# KiCad board FetsAndCrosses.kicad_pcb (continued)
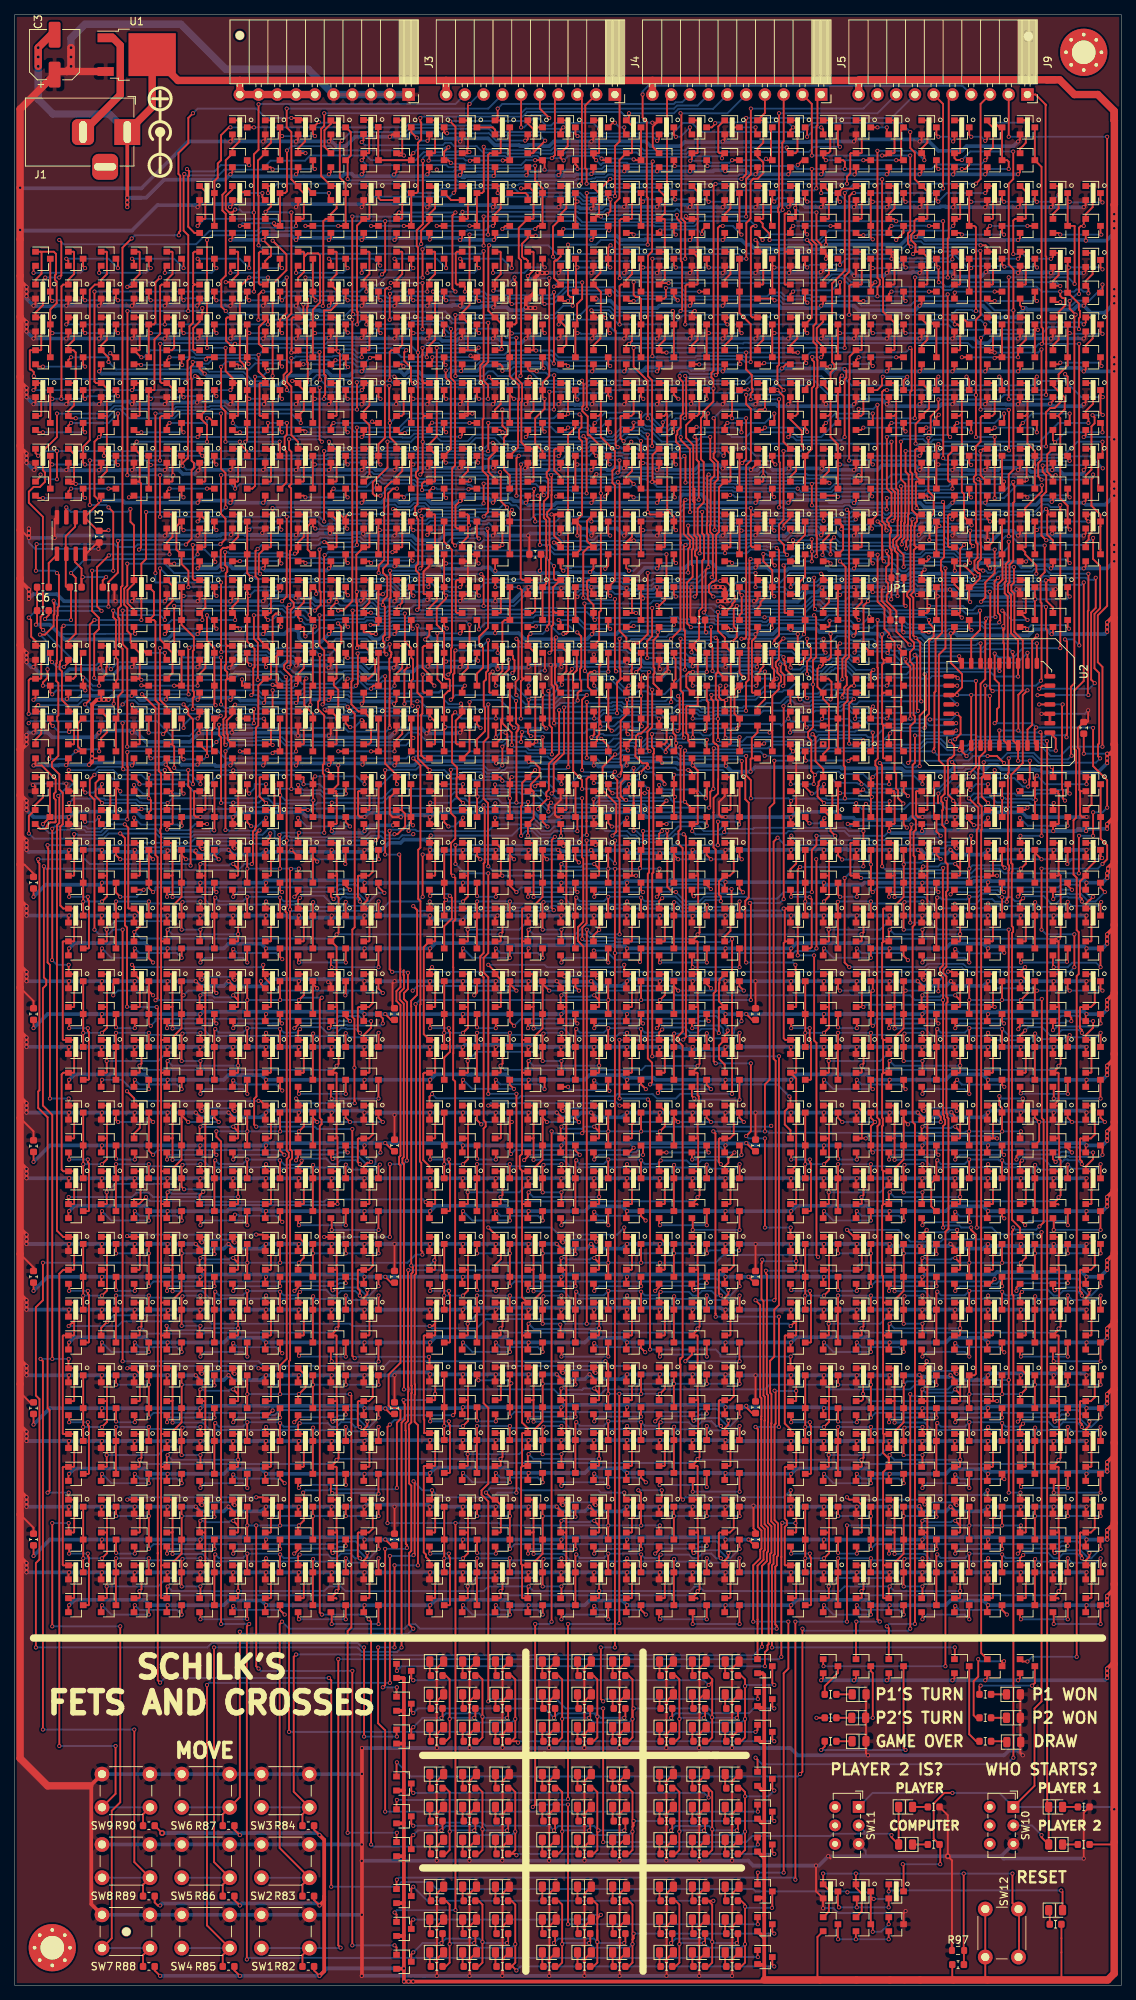
[diagram p0: board, top side]
## Placement (name value [footprint] x y rotation side) (continued)
Q303  2N7002  [SOT-23-N]  70.48 51.43 0 top
Q304  BSS84  [SOT-23-P]  70.48 55.88 0 top
Q305  BSS84  [SOT-23-P]  79.38 64.77 0 top
Q306  2N7002  [SOT-23-N]  79.38 60.32 0 top
Q307  2N7002  [SOT-23-N]  83.82 60.32 0 top
Q308  BSS84  [SOT-23-P]  83.82 64.77 0 top
Q309  BSS84  [SOT-23-P]  74.93 55.88 0 top
Q310  BSS84  [SOT-23-P]  79.38 55.88 0 top
Q311  2N7002  [SOT-23-N]  74.93 51.43 0 top
Q312  2N7002  [SOT-23-N]  79.38 51.43 0 top
Q313  2N7002  [SOT-23-N]  83.82 51.43 0 top
Q314  BSS84  [SOT-23-P]  83.82 55.88 0 top
Q315  BSS84  [SOT-23-P]  88.27 55.88 0 top
Q316  BSS84  [SOT-23-P]  92.71 55.88 0 top
Q317  2N7002  [SOT-23-N]  88.27 51.43 0 top
Q318  2N7002  [SOT-23-N]  92.71 51.43 0 top
Q319  2N7002  [SOT-23-N]  97.16 51.43 0 top
Q320  BSS84  [SOT-23-P]  97.16 55.88 0 top
Q321  BSS84  [SOT-23-P]  88.27 64.77 0 top
Q322  BSS84  [SOT-23-P]  92.71 64.77 0 top
Q323  2N7002  [SOT-23-N]  88.27 60.32 0 top
Q324  2N7002  [SOT-23-N]  92.71 60.32 0 top
Q325  2N7002  [SOT-23-N]  97.16 60.32 0 top
Q326  BSS84  [SOT-23-P]  97.16 64.77 0 top
Q327  BSS84  [SOT-23-P]  70.48 64.77 0 top
Q328  2N7002  [SOT-23-N]  70.48 60.32 0 top
Q329  2N7002  [SOT-23-N]  74.93 60.32 0 top
Q330  BSS84  [SOT-23-P]  74.93 64.77 0 top
Q331  BSS84  [SOT-23-P]  8.27 158.11 0 top
Q332  2N7002  [SOT-23-N]  21.61 158.11 0 top
Q333  BSS84  [SOT-23-P]  8.27 162.56 0 top
Q334  2N7002  [SOT-23-N]  21.61 162.56 0 top
Q335  BSS84  [SOT-23-P]  26.05 162.56 0 top
Q336  2N7002  [SOT-23-N]  26.05 158.11 0 top
Q337  BSS84  [SOT-23-P]  92.73 180.34 0 top
Q338  2N7002  [SOT-23-N]  92.73 167 0 top
Q339  BSS84  [SOT-23-P]  97.17 180.34 0 top
Q340  2N7002  [SOT-23-N]  97.17 167 0 top
Q341  BSS84  [SOT-23-P]  110.49 55.88 0 top
Q342  BSS84  [SOT-23-P]  114.94 55.88 0 top
Q343  2N7002  [SOT-23-N]  110.49 51.43 0 top
Q344  2N7002  [SOT-23-N]  114.94 51.43 0 top
Q345  2N7002  [SOT-23-N]  119.38 51.43 0 top
Q346  BSS84  [SOT-23-P]  119.38 55.88 0 top
Q347  BSS84  [SOT-23-P]  128.27 64.77 0 top
Q348  2N7002  [SOT-23-N]  128.27 60.32 0 top
Q349  2N7002  [SOT-23-N]  132.72 60.32 0 top
Q350  BSS84  [SOT-23-P]  132.72 64.77 0 top
Q351  BSS84  [SOT-23-P]  123.83 55.88 0 top
Q352  BSS84  [SOT-23-P]  128.27 55.88 0 top
Q353  2N7002  [SOT-23-N]  123.83 51.43 0 top
Q354  2N7002  [SOT-23-N]  128.27 51.43 0 top
Q355  2N7002  [SOT-23-N]  132.72 51.43 0 top
Q356  BSS84  [SOT-23-P]  132.72 55.88 0 top
Q357  BSS84  [SOT-23-P]  137.16 55.88 0 top
Q358  BSS84  [SOT-23-P]  141.6 55.88 0 top
Q359  2N7002  [SOT-23-N]  137.16 51.43 0 top
Q360  2N7002  [SOT-23-N]  141.6 51.43 0 top
Q361  2N7002  [SOT-23-N]  146.05 51.43 0 top
Q362  BSS84  [SOT-23-P]  146.05 55.88 0 top
Q363  BSS84  [SOT-23-P]  137.16 64.77 0 top
Q364  BSS84  [SOT-23-P]  141.6 64.77 0 top
Q365  2N7002  [SOT-23-N]  137.16 60.32 0 top
Q366  2N7002  [SOT-23-N]  141.6 60.32 0 top
Q367  2N7002  [SOT-23-N]  146.05 60.32 0 top
Q368  BSS84  [SOT-23-P]  146.05 64.77 0 top
Q369  BSS84  [SOT-23-P]  119.38 64.77 0 top
Q370  2N7002  [SOT-23-N]  119.38 60.32 0 top
Q371  2N7002  [SOT-23-N]  123.83 60.32 0 top
Q372  BSS84  [SOT-23-P]  123.83 64.77 0 top
Q373  BSS84  [SOT-23-P]  101.62 180.34 0 top
Q374  2N7002  [SOT-23-N]  101.62 175.89 0 top
Q375  BSS84  [SOT-23-P]  30.5 158.11 0 top
Q376  2N7002  [SOT-23-N]  43.83 158.11 0 top
Q377  BSS84  [SOT-23-P]  30.5 162.56 0 top
Q378  2N7002  [SOT-23-N]  43.83 162.56 0 top
Q379  BSS84  [SOT-23-P]  48.28 162.56 0 top
Q380  2N7002  [SOT-23-N]  48.28 158.11 0 top
Q381  BSS84  [SOT-23-P]  79.39 158.11 0 top
Q382  2N7002  [SOT-23-N]  92.73 158.11 0 top
Q383  BSS84  [SOT-23-P]  12.72 158.11 0 top
Q384  2N7002  [SOT-23-N]  17.16 162.56 0 top
Q385  BSS84  [SOT-23-P]  12.72 162.56 0 top
Q386  2N7002  [SOT-23-N]  17.16 158.11 0 top
Q387  BSS84  [SOT-23-P]  92.73 175.89 0 top
Q388  2N7002  [SOT-23-N]  97.17 171.45 0 top
Q389  BSS84  [SOT-23-P]  97.17 175.92 0 top
Q390  2N7002  [SOT-23-N]  92.73 171.45 0 top
Q391  BSS84  [SOT-23-P]  34.94 158.11 0 top
Q392  2N7002  [SOT-23-N]  39.39 162.56 0 top
Q393  BSS84  [SOT-23-P]  34.94 162.56 0 top
Q394  2N7002  [SOT-23-N]  39.39 158.11 0 top
Q395  BSS84  [SOT-23-P]  83.84 158.11 0 top
Q396  2N7002  [SOT-23-N]  88.28 162.56 0 top
Q397  BSS84  [SOT-23-P]  83.84 162.56 0 top
Q398  2N7002  [SOT-23-N]  88.28 158.11 0 top
Q399  BSS84  [SOT-23-P]  132.73 158.11 0 top
Q400  2N7002  [SOT-23-N]  137.18 162.56 0 top
Q401  BSS84  [SOT-23-P]  132.73 162.56 0 top
Q402  2N7002  [SOT-23-N]  137.18 158.11 0 top
Q403  BSS84  [SOT-23-P]  61.61 158.11 0 top
Q404  2N7002  [SOT-23-N]  66.06 162.56 0 top
Q405  BSS84  [SOT-23-P]  61.61 162.56 0 top
Q406  2N7002  [SOT-23-N]  66.06 158.11 0 top
Q407  BSS84  [SOT-23-P]  110.51 158.11 0 top
Q408  2N7002  [SOT-23-N]  114.95 162.56 0 top
Q409  BSS84  [SOT-23-P]  110.51 162.56 0 top
Q410  2N7002  [SOT-23-N]  114.95 158.11 0 top
Q411  BSS84  [SOT-23-P]  79.39 175.89 0 top
Q412  2N7002  [SOT-23-N]  83.84 171.45 0 top
Q413  BSS84  [SOT-23-P]  83.84 175.92 0 top
Q414  2N7002  [SOT-23-N]  79.39 171.45 0 top
Q415  BSS84  [SOT-23-P]  66.06 175.89 0 top
Q416  2N7002  [SOT-23-N]  70.5 171.45 0 top
Q417  BSS84  [SOT-23-P]  70.5 175.92 0 top
Q418  2N7002  [SOT-23-N]  66.06 171.45 0 top
Q419  BSS84  [SOT-23-P]  66.06 189.23 0 top
Q420  2N7002  [SOT-23-N]  66.06 184.78 0 top
Q421  2N7002  [SOT-23-N]  123.83 247.01 0 top
Q422  2N7002  [SOT-23-N]  128.27 247.01 0 top
Q423  BSS84  [SOT-23-P]  123.83 251.46 0 top
Q424  BSS84  [SOT-23-P]  128.27 251.46 0 top
Q425  BSS84  [SOT-23-P]  132.72 251.46 0 top
Q426  2N7002  [SOT-23-N]  132.72 247.01 0 top
Q427  BSS84  [SOT-23-P]  137.16 251.46 0 top
Q428  2N7002  [SOT-23-N]  137.16 247.01 0 top
Q429  BSS84  [SOT-23-P]  30.48 215.9 0 top
Q430  BSS84  [SOT-23-P]  34.92 215.9 0 top
Q431  2N7002  [SOT-23-N]  30.48 211.45 0 top
Q432  2N7002  [SOT-23-N]  34.92 211.45 0 top
Q433  2N7002  [SOT-23-N]  34.92 202.56 0 top
Q434  BSS84  [SOT-23-P]  34.92 207.01 0 top
Q435  BSS84  [SOT-23-P]  30.48 224.79 0 top
Q436  BSS84  [SOT-23-P]  34.92 224.79 0 top
Q437  2N7002  [SOT-23-N]  30.48 220.34 0 top
Q438  2N7002  [SOT-23-N]  34.92 220.34 0 top
Q439  2N7002  [SOT-23-N]  30.48 202.56 0 top
Q440  BSS84  [SOT-23-P]  30.48 207.01 0 top
Q441  BSS84  [SOT-23-P]  17.14 224.79 0 top
Q442  BSS84  [SOT-23-P]  21.59 224.79 0 top
Q443  2N7002  [SOT-23-N]  17.14 220.34 0 top
Q444  2N7002  [SOT-23-N]  21.59 220.34 0 top
Q445  2N7002  [SOT-23-N]  26.04 220.34 0 top
Q446  BSS84  [SOT-23-P]  26.04 224.79 0 top
Q447  BSS84  [SOT-23-P]  3.81 207.01 0 top
Q448  BSS84  [SOT-23-P]  8.25 207.01 0 top
Q449  2N7002  [SOT-23-N]  3.81 202.56 0 top
Q450  2N7002  [SOT-23-N]  8.25 202.56 0 top
Q451  2N7002  [SOT-23-N]  12.7 202.56 0 top
Q452  BSS84  [SOT-23-P]  12.7 207.01 0 top
Q453  BSS84  [SOT-23-P]  17.14 207.01 0 top
Q454  BSS84  [SOT-23-P]  21.59 207.01 0 top
Q455  2N7002  [SOT-23-N]  17.14 202.56 0 top
Q456  2N7002  [SOT-23-N]  21.59 202.56 0 top
Q457  2N7002  [SOT-23-N]  26.04 202.56 0 top
Q458  BSS84  [SOT-23-P]  26.04 207.01 0 top
Q459  BSS84  [SOT-23-P]  17.14 215.9 0 top
Q460  BSS84  [SOT-23-P]  21.59 215.9 0 top
Q461  2N7002  [SOT-23-N]  17.14 211.45 0 top
Q462  2N7002  [SOT-23-N]  21.59 211.45 0 top
Q463  2N7002  [SOT-23-N]  26.04 211.45 0 top
Q464  BSS84  [SOT-23-P]  26.04 215.9 0 top
Q465  BSS84  [SOT-23-P]  3.81 224.79 0 top
Q466  BSS84  [SOT-23-P]  8.25 224.79 0 top
Q467  2N7002  [SOT-23-N]  3.81 220.34 0 top
Q468  2N7002  [SOT-23-N]  8.25 220.34 0 top
Q469  2N7002  [SOT-23-N]  12.7 220.34 0 top
Q470  BSS84  [SOT-23-P]  12.7 224.79 0 top
Q471  BSS84  [SOT-23-P]  3.81 215.9 0 top
Q472  BSS84  [SOT-23-P]  8.25 215.9 0 top
Q473  2N7002  [SOT-23-N]  3.81 211.45 0 top
Q474  2N7002  [SOT-23-N]  8.25 211.45 0 top
Q475  2N7002  [SOT-23-N]  12.7 211.45 0 top
Q476  BSS84  [SOT-23-P]  12.7 215.9 0 top
Q477  BSS84  [SOT-23-P]  12.7 229.23 0 top
Q478  BSS84  [SOT-23-P]  26.04 229.23 0 top
Q479  2N7002  [SOT-23-N]  3.81 233.68 0 top
Q480  2N7002  [SOT-23-N]  8.25 233.68 0 top
Q481  BSS84  [SOT-23-P]  3.81 229.23 0 top
Q482  BSS84  [SOT-23-P]  17.14 229.23 0 top
Q483  BSS84  [SOT-23-P]  30.48 229.23 0 top
Q484  2N7002  [SOT-23-N]  12.7 233.68 0 top
Q485  2N7002  [SOT-23-N]  17.14 233.68 0 top
Q486  2N7002  [SOT-23-N]  21.59 233.68 0 top
Q487  BSS84  [SOT-23-P]  8.25 229.23 0 top
Q488  BSS84  [SOT-23-P]  21.59 229.23 0 top
Q489  BSS84  [SOT-23-P]  34.92 229.23 0 top
Q490  2N7002  [SOT-23-N]  26.04 233.68 0 top
Q491  2N7002  [SOT-23-N]  30.48 233.68 0 top
Q492  2N7002  [SOT-23-N]  34.92 233.68 0 top
Q493  2N7002  [SOT-23-N]  66.04 238.12 0 top
Q494  BSS84  [SOT-23-P]  66.04 242.57 0 top
Q495  BSS84  [SOT-23-P]  70.48 242.57 0 top
Q496  2N7002  [SOT-23-N]  70.48 238.12 0 top
Q497  BSS84  [SOT-23-P]  52.7 251.46 0 top
Q498  BSS84  [SOT-23-P]  57.15 251.46 0 top
Q499  BSS84  [SOT-23-P]  70.48 251.46 0 top
Q500  2N7002  [SOT-23-N]  52.7 247.01 0 top
Q501  2N7002  [SOT-23-N]  74.93 247.01 0 top
Q502  2N7002  [SOT-23-N]  106.05 247.01 0 top
Q503  BSS84  [SOT-23-P]  74.93 251.46 0 top
Q504  BSS84  [SOT-23-P]  88.27 251.46 0 top
Q505  BSS84  [SOT-23-P]  92.71 251.46 0 top
Q506  2N7002  [SOT-23-N]  57.15 247.01 0 top
Q507  2N7002  [SOT-23-N]  88.27 247.01 0 top
Q508  2N7002  [SOT-23-N]  110.49 247.01 0 top
Q509  BSS84  [SOT-23-P]  106.05 251.46 0 top
Q510  BSS84  [SOT-23-P]  110.49 251.46 0 top
Q511  BSS84  [SOT-23-P]  48.23 251.51 0 top
Q512  2N7002  [SOT-23-N]  70.48 247.01 0 top
Q513  2N7002  [SOT-23-N]  92.71 247.01 0 top
Q514  2N7002  [SOT-23-N]  48.26 247.01 0 top
Q515  2N7002  [SOT-23-N]  114.94 247.01 0 top
Q516  BSS84  [SOT-23-P]  114.94 251.46 0 top
Q517  BSS84  [SOT-23-P]  119.38 251.46 0 top
Q518  2N7002  [SOT-23-N]  119.38 247.01 0 top
Q519  2N7002  [SOT-23-N]  97.16 247.01 0 top
Q520  BSS84  [SOT-23-P]  97.16 251.46 0 top
Q521  BSS84  [SOT-23-P]  101.6 251.46 0 top
Q522  2N7002  [SOT-23-N]  101.6 247.01 0 top
Q523  2N7002  [SOT-23-N]  48.26 238.12 0 top
Q524  BSS84  [SOT-23-P]  48.26 242.57 0 top
Q525  BSS84  [SOT-23-P]  52.7 242.57 0 top
Q526  2N7002  [SOT-23-N]  52.7 238.12 0 top
Q527  2N7002  [SOT-23-N]  79.38 247.01 0 top
Q528  BSS84  [SOT-23-P]  79.38 251.46 0 top
Q529  BSS84  [SOT-23-P]  83.82 251.46 0 top
Q530  2N7002  [SOT-23-N]  83.82 247.01 0 top
Q531  2N7002  [SOT-23-N]  39.37 238.12 0 top
Q532  BSS84  [SOT-23-P]  39.37 242.57 0 top
Q533  BSS84  [SOT-23-P]  43.81 242.57 0 top
Q534  2N7002  [SOT-23-N]  43.81 238.12 0 top
Q535  2N7002  [SOT-23-N]  61.59 247.01 0 top
Q536  BSS84  [SOT-23-P]  61.59 251.46 0 top
Q537  BSS84  [SOT-23-P]  66.04 251.46 0 top
Q538  2N7002  [SOT-23-N]  66.04 247.01 0 top
Q539  2N7002  [SOT-23-N]  30.48 238.12 0 top
Q540  BSS84  [SOT-23-P]  30.48 242.57 0 top
Q541  BSS84  [SOT-23-P]  34.92 242.57 0 top
Q542  2N7002  [SOT-23-N]  34.92 238.12 0 top
Q543  2N7002  [SOT-23-N]  57.15 238.12 0 top
Q544  BSS84  [SOT-23-P]  57.15 242.57 0 top
Q545  BSS84  [SOT-23-P]  61.59 242.57 0 top
Q546  2N7002  [SOT-23-N]  61.59 238.12 0 top
Q547  BSS84  [SOT-23-P]  66.04 215.9 0 top
Q548  BSS84  [SOT-23-P]  70.48 215.9 0 top
Q549  2N7002  [SOT-23-N]  66.04 211.45 0 top
Q550  2N7002  [SOT-23-N]  70.48 211.45 0 top
Q551  2N7002  [SOT-23-N]  70.48 202.56 0 top
Q552  BSS84  [SOT-23-P]  70.48 207.01 0 top
Q553  BSS84  [SOT-23-P]  66.04 224.79 0 top
Q554  BSS84  [SOT-23-P]  70.48 224.79 0 top
Q555  2N7002  [SOT-23-N]  66.04 220.34 0 top
Q556  2N7002  [SOT-23-N]  70.48 220.34 0 top
Q557  2N7002  [SOT-23-N]  66.04 202.56 0 top
Q558  BSS84  [SOT-23-P]  66.04 207.01 0 top
Q559  BSS84  [SOT-23-P]  52.7 224.79 0 top
Q560  BSS84  [SOT-23-P]  57.15 224.79 0 top
Q561  2N7002  [SOT-23-N]  52.7 220.34 0 top
Q562  2N7002  [SOT-23-N]  57.15 220.34 0 top
Q563  2N7002  [SOT-23-N]  61.59 220.34 0 top
Q564  BSS84  [SOT-23-P]  61.59 224.79 0 top
Q565  BSS84  [SOT-23-P]  39.37 207.01 0 top
Q566  BSS84  [SOT-23-P]  43.81 207.01 0 top
Q567  2N7002  [SOT-23-N]  39.37 202.56 0 top
Q568  2N7002  [SOT-23-N]  43.81 202.56 0 top
Q569  2N7002  [SOT-23-N]  48.26 202.56 0 top
Q570  BSS84  [SOT-23-P]  48.26 207.01 0 top
Q571  BSS84  [SOT-23-P]  52.7 207.01 0 top
Q572  BSS84  [SOT-23-P]  57.15 207.01 0 top
Q573  2N7002  [SOT-23-N]  52.7 202.56 0 top
Q574  2N7002  [SOT-23-N]  57.15 202.56 0 top
Q575  2N7002  [SOT-23-N]  61.59 202.56 0 top
Q576  BSS84  [SOT-23-P]  61.59 207.01 0 top
Q577  BSS84  [SOT-23-P]  52.7 215.9 0 top
Q578  BSS84  [SOT-23-P]  57.15 215.9 0 top
Q579  2N7002  [SOT-23-N]  52.7 211.45 0 top
Q580  2N7002  [SOT-23-N]  57.15 211.45 0 top
Q581  2N7002  [SOT-23-N]  61.59 211.45 0 top
Q582  BSS84  [SOT-23-P]  61.59 215.9 0 top
Q583  BSS84  [SOT-23-P]  39.37 224.79 0 top
Q584  BSS84  [SOT-23-P]  43.81 224.79 0 top
Q585  2N7002  [SOT-23-N]  39.37 220.34 0 top
Q586  2N7002  [SOT-23-N]  43.81 220.34 0 top
Q587  2N7002  [SOT-23-N]  48.26 220.34 0 top
Q588  BSS84  [SOT-23-P]  48.26 224.79 0 top
Q589  BSS84  [SOT-23-P]  39.37 215.9 0 top
Q590  BSS84  [SOT-23-P]  43.81 215.9 0 top
Q591  2N7002  [SOT-23-N]  39.37 211.45 0 top
Q592  2N7002  [SOT-23-N]  43.81 211.45 0 top
Q593  2N7002  [SOT-23-N]  48.26 211.45 0 top
Q594  BSS84  [SOT-23-P]  48.26 215.9 0 top
Q595  BSS84  [SOT-23-P]  48.26 229.23 0 top
Q596  BSS84  [SOT-23-P]  61.59 229.23 0 top
Q597  2N7002  [SOT-23-N]  39.37 233.68 0 top
Q598  2N7002  [SOT-23-N]  43.81 233.68 0 top
Q599  BSS84  [SOT-23-P]  39.37 229.23 0 top
Q600  BSS84  [SOT-23-P]  52.7 229.23 0 top
Q601  BSS84  [SOT-23-P]  66.04 229.23 0 top
Q602  2N7002  [SOT-23-N]  48.26 233.68 0 top
Q603  2N7002  [SOT-23-N]  52.7 233.68 0 top
Q604  2N7002  [SOT-23-N]  57.15 233.68 0 top
Q605  BSS84  [SOT-23-P]  43.81 229.23 0 top
Q606  BSS84  [SOT-23-P]  57.15 229.23 0 top
Q607  BSS84  [SOT-23-P]  70.48 229.23 0 top
Q608  2N7002  [SOT-23-N]  61.59 233.68 0 top
Q609  2N7002  [SOT-23-N]  66.04 233.68 0 top
Q610  2N7002  [SOT-23-N]  70.48 233.68 0 top
Q611  BSS84  [SOT-23-P]  114.94 242.57 0 top
Q612  BSS84  [SOT-23-P]  119.38 242.57 0 top
Q613  2N7002  [SOT-23-N]  114.94 238.12 0 top
Q614  2N7002  [SOT-23-N]  119.38 238.12 0 top
Q615  2N7002  [SOT-23-N]  123.83 238.12 0 top
Q616  BSS84  [SOT-23-P]  123.83 242.57 0 top
Q617  BSS84  [SOT-23-P]  101.6 233.68 0 top
Q618  BSS84  [SOT-23-P]  106.05 233.68 0 top
Q619  2N7002  [SOT-23-N]  101.6 229.23 0 top
Q620  2N7002  [SOT-23-N]  106.05 229.23 0 top
Q621  2N7002  [SOT-23-N]  110.49 229.23 0 top
Q622  BSS84  [SOT-23-P]  110.49 233.68 0 top
Q623  BSS84  [SOT-23-P]  128.27 233.68 0 top
Q624  BSS84  [SOT-23-P]  132.72 233.68 0 top
Q625  2N7002  [SOT-23-N]  128.27 229.23 0 top
Q626  2N7002  [SOT-23-N]  132.72 229.23 0 top
Q627  2N7002  [SOT-23-N]  137.16 229.23 0 top
Q628  BSS84  [SOT-23-P]  137.16 233.68 0 top
Q629  BSS84  [SOT-23-P]  114.94 233.68 0 top
Q630  BSS84  [SOT-23-P]  119.38 233.68 0 top
Q631  2N7002  [SOT-23-N]  114.94 229.23 0 top
Q632  2N7002  [SOT-23-N]  119.38 229.23 0 top
Q633  2N7002  [SOT-23-N]  123.83 229.23 0 top
Q634  BSS84  [SOT-23-P]  123.83 233.68 0 top
Q635  BSS84  [SOT-23-P]  128.27 242.57 0 top
Q636  BSS84  [SOT-23-P]  132.72 242.57 0 top
Q637  2N7002  [SOT-23-N]  128.27 238.12 0 top
Q638  2N7002  [SOT-23-N]  132.72 238.12 0 top
Q639  2N7002  [SOT-23-N]  137.16 238.12 0 top
Q640  BSS84  [SOT-23-P]  137.16 242.57 0 top
Q641  BSS84  [SOT-23-P]  101.6 242.57 0 top
Q642  BSS84  [SOT-23-P]  106.05 242.57 0 top
Q643  2N7002  [SOT-23-N]  101.6 238.12 0 top
Q644  2N7002  [SOT-23-N]  106.05 238.12 0 top
Q645  2N7002  [SOT-23-N]  110.49 238.12 0 top
Q646  BSS84  [SOT-23-P]  110.49 242.57 0 top
Q647  BSS84  [SOT-23-P]  88.27 224.79 0 top
Q648  2N7002  [SOT-23-N]  88.27 220.34 0 top
Q649  BSS84  [SOT-23-P]  146.05 198.12 0 top
Q650  2N7002  [SOT-23-N]  146.05 193.67 0 top
Q651  BSS84  [SOT-23-P]  141.6 242.57 0 top
Q652  2N7002  [SOT-23-N]  141.6 238.12 0 top
Q653  2N7002  [SOT-23-N]  146.05 238.12 0 top
Q654  BSS84  [SOT-23-P]  146.05 242.57 0 top
Q655  BSS84  [SOT-23-P]  137.16 224.79 0 top
Q656  2N7002  [SOT-23-N]  137.16 220.34 0 top
Q657  2N7002  [SOT-23-N]  128.27 220.34 0 top
Q658  BSS84  [SOT-23-P]  128.27 224.79 0 top
Q659  BSS84  [SOT-23-P]  132.72 224.79 0 top
Q660  2N7002  [SOT-23-N]  132.72 220.34 0 top
Q661  BSS84  [SOT-23-P]  83.82 242.57 0 top
Q662  BSS84  [SOT-23-P]  88.27 242.57 0 top
Q663  2N7002  [SOT-23-N]  83.82 238.12 0 top
Q664  2N7002  [SOT-23-N]  88.27 238.12 0 top
Q665  2N7002  [SOT-23-N]  92.71 238.12 0 top
Q666  BSS84  [SOT-23-P]  92.71 242.57 0 top
Q667  BSS84  [SOT-23-P]  97.16 242.57 0 top
Q668  2N7002  [SOT-23-N]  97.16 238.12 0 top
Q669  BSS84  [SOT-23-P]  83.82 224.79 0 top
Q670  2N7002  [SOT-23-N]  83.82 220.34 0 top
Q671  BSS84  [SOT-23-P]  26.04 242.57 0 top
Q672  2N7002  [SOT-23-N]  26.04 238.12 0 top
Q673  2N7002  [SOT-23-N]  30.48 247.01 0 top
Q674  BSS84  [SOT-23-P]  30.48 251.46 0 top
Q675  BSS84  [SOT-23-P]  101.6 224.79 0 top
Q676  2N7002  [SOT-23-N]  101.6 220.34 0 top
Q677  2N7002  [SOT-23-N]  106.05 220.34 0 top
Q678  BSS84  [SOT-23-P]  106.05 224.79 0 top
Q679  BSS84  [SOT-23-P]  132.72 207.01 0 top
Q680  2N7002  [SOT-23-N]  132.72 202.56 0 top
Q681  BSS84  [SOT-23-P]  141.6 233.52 0 top
Q682  2N7002  [SOT-23-N]  141.6 229.07 0 top
Q683  2N7002  [SOT-23-N]  146.05 229.07 0 top
Q684  BSS84  [SOT-23-P]  146.05 233.52 0 top
Q685  BSS84  [SOT-23-P]  132.72 198.12 0 top
Q686  2N7002  [SOT-23-N]  132.72 193.67 0 top
Q687  BSS84  [SOT-23-P]  141.6 224.79 0 top
Q688  2N7002  [SOT-23-N]  141.6 220.34 0 top
Q689  2N7002  [SOT-23-N]  146.05 220.34 0 top
Q690  BSS84  [SOT-23-P]  146.05 224.79 0 top
Q691  BSS84  [SOT-23-P]  83.82 233.68 0 top
Q692  BSS84  [SOT-23-P]  88.27 233.68 0 top
Q693  2N7002  [SOT-23-N]  83.82 229.23 0 top
Q694  2N7002  [SOT-23-N]  88.27 229.23 0 top
Q695  2N7002  [SOT-23-N]  92.71 229.23 0 top
Q696  BSS84  [SOT-23-P]  92.71 233.68 0 top
Q697  BSS84  [SOT-23-P]  97.16 233.68 0 top
Q698  2N7002  [SOT-23-N]  97.16 229.23 0 top
Q699  BSS84  [SOT-23-P]  74.93 233.68 0 top
Q700  2N7002  [SOT-23-N]  74.93 229.23 0 top
Q701  2N7002  [SOT-23-N]  79.38 229.23 0 top
Q702  BSS84  [SOT-23-P]  79.38 233.68 0 top
Q703  BSS84  [SOT-23-P]  74.93 242.57 0 top
Q704  2N7002  [SOT-23-N]  74.93 238.12 0 top
Q705  2N7002  [SOT-23-N]  79.38 238.12 0 top
Q706  BSS84  [SOT-23-P]  79.38 242.57 0 top
Q707  BSS84  [SOT-23-P]  74.93 224.79 0 top
Q708  2N7002  [SOT-23-N]  74.93 220.34 0 top
Q709  2N7002  [SOT-23-N]  79.38 220.34 0 top
Q710  BSS84  [SOT-23-P]  79.38 224.79 0 top
Q711  BSS84  [SOT-23-P]  92.71 224.79 0 top
Q712  2N7002  [SOT-23-N]  92.71 220.34 0 top
Q713  2N7002  [SOT-23-N]  97.16 220.34 0 top
Q714  BSS84  [SOT-23-P]  97.16 224.79 0 top
Q715  BSS84  [SOT-23-P]  137.16 189.23 0 top
Q716  2N7002  [SOT-23-N]  137.16 184.78 0 top
Q717  2N7002  [SOT-23-N]  141.6 184.78 0 top
Q718  BSS84  [SOT-23-P]  141.6 189.23 0 top
Q719  BSS84  [SOT-23-P]  137.16 207.01 0 top
Q720  2N7002  [SOT-23-N]  137.16 202.56 0 top
Q721  2N7002  [SOT-23-N]  141.6 202.56 0 top
Q722  BSS84  [SOT-23-P]  141.6 207.01 0 top
Q723  BSS84  [SOT-23-P]  123.83 189.23 0 top
Q724  2N7002  [SOT-23-N]  123.83 184.78 0 top
Q725  2N7002  [SOT-23-N]  128.27 184.78 0 top
Q726  BSS84  [SOT-23-P]  128.27 189.23 0 top
Q727  BSS84  [SOT-23-P]  123.83 198.12 0 top
Q728  2N7002  [SOT-23-N]  123.83 193.67 0 top
Q729  2N7002  [SOT-23-N]  128.27 193.67 0 top
Q730  BSS84  [SOT-23-P]  128.27 198.12 0 top
Q731  BSS84  [SOT-23-P]  123.83 207.01 0 top
Q732  2N7002  [SOT-23-N]  123.83 202.56 0 top
Q733  2N7002  [SOT-23-N]  128.27 202.56 0 top
Q734  BSS84  [SOT-23-P]  128.27 207.01 0 top
Q735  BSS84  [SOT-23-P]  110.49 189.23 0 top
Q736  2N7002  [SOT-23-N]  110.49 184.78 0 top
Q737  2N7002  [SOT-23-N]  114.94 184.78 0 top
Q738  BSS84  [SOT-23-P]  114.94 189.23 0 top
Q739  BSS84  [SOT-23-P]  110.49 198.12 0 top
Q740  2N7002  [SOT-23-N]  110.49 193.67 0 top
Q741  2N7002  [SOT-23-N]  114.94 193.67 0 top
Q742  BSS84  [SOT-23-P]  114.94 198.12 0 top
Q743  BSS84  [SOT-23-P]  110.49 207.01 0 top
Q744  2N7002  [SOT-23-N]  110.49 202.56 0 top
Q745  2N7002  [SOT-23-N]  114.94 202.56 0 top
Q746  BSS84  [SOT-23-P]  114.94 207.01 0 top
Q747  BSS84  [SOT-23-P]  110.49 215.9 0 top
Q748  BSS84  [SOT-23-P]  123.83 215.9 0 top
Q749  BSS84  [SOT-23-P]  137.16 215.9 0 top
Q750  2N7002  [SOT-23-N]  110.49 211.45 0 top
Q751  2N7002  [SOT-23-N]  114.94 211.45 0 top
Q752  2N7002  [SOT-23-N]  119.38 211.45 0 top
Q753  BSS84  [SOT-23-P]  114.94 215.9 0 top
Q754  BSS84  [SOT-23-P]  128.27 215.9 0 top
Q755  BSS84  [SOT-23-P]  141.6 215.9 0 top
Q756  2N7002  [SOT-23-N]  123.83 211.45 0 top
Q757  2N7002  [SOT-23-N]  128.27 211.45 0 top
Q758  2N7002  [SOT-23-N]  132.72 211.45 0 top
Q759  BSS84  [SOT-23-P]  119.38 215.9 0 top
Q760  BSS84  [SOT-23-P]  132.72 215.9 0 top
Q761  BSS84  [SOT-23-P]  146.05 215.9 0 top
Q762  2N7002  [SOT-23-N]  137.16 211.45 0 top
Q763  2N7002  [SOT-23-N]  141.6 211.45 0 top
Q764  2N7002  [SOT-23-N]  146.05 211.45 0 top
Q765  BSS84  [SOT-23-P]  146.05 207.01 0 top
Q766  2N7002  [SOT-23-N]  146.05 202.56 0 top
Q767  BSS84  [SOT-23-P]  137.16 198.12 0 top
Q768  2N7002  [SOT-23-N]  137.16 193.67 0 top
Q769  2N7002  [SOT-23-N]  141.6 193.67 0 top
Q770  BSS84  [SOT-23-P]  141.6 198.12 0 top
Q771  BSS84  [SOT-23-P]  97.16 189.23 0 top
Q772  2N7002  [SOT-23-N]  97.16 184.78 0 top
Q773  2N7002  [SOT-23-N]  101.6 184.78 0 top
Q774  BSS84  [SOT-23-P]  101.6 189.23 0 top
Q775  BSS84  [SOT-23-P]  97.16 207.01 0 top
Q776  2N7002  [SOT-23-N]  97.16 202.56 0 top
Q777  2N7002  [SOT-23-N]  101.6 202.56 0 top
Q778  BSS84  [SOT-23-P]  101.6 207.01 0 top
Q779  BSS84  [SOT-23-P]  83.82 189.23 0 top
Q780  2N7002  [SOT-23-N]  83.82 184.78 0 top
Q781  2N7002  [SOT-23-N]  88.27 184.78 0 top
Q782  BSS84  [SOT-23-P]  88.27 189.23 0 top
Q783  BSS84  [SOT-23-P]  83.82 198.12 0 top
Q784  2N7002  [SOT-23-N]  83.82 193.67 0 top
Q785  2N7002  [SOT-23-N]  88.27 193.67 0 top
Q786  BSS84  [SOT-23-P]  88.27 198.12 0 top
Q787  BSS84  [SOT-23-P]  83.82 207.01 0 top
Q788  2N7002  [SOT-23-N]  83.82 202.56 0 top
Q789  2N7002  [SOT-23-N]  88.27 202.56 0 top
Q790  BSS84  [SOT-23-P]  88.27 207.01 0 top
Q791  BSS84  [SOT-23-P]  74.93 189.23 0 top
Q792  2N7002  [SOT-23-N]  74.93 184.78 0 top
Q793  2N7002  [SOT-23-N]  79.38 184.78 0 top
Q794  BSS84  [SOT-23-P]  79.38 189.23 0 top
Q795  BSS84  [SOT-23-P]  74.93 198.12 0 top
Q796  2N7002  [SOT-23-N]  74.93 193.67 0 top
Q797  2N7002  [SOT-23-N]  79.38 193.67 0 top
Q798  BSS84  [SOT-23-P]  79.38 198.12 0 top
Q799  BSS84  [SOT-23-P]  74.93 207.01 0 top
Q800  2N7002  [SOT-23-N]  74.93 202.56 0 top
Q801  2N7002  [SOT-23-N]  79.38 202.56 0 top
Q802  BSS84  [SOT-23-P]  79.38 207.01 0 top
Q803  BSS84  [SOT-23-P]  70.48 189.23 0 top
Q804  BSS84  [SOT-23-P]  83.82 215.9 0 top
Q805  BSS84  [SOT-23-P]  97.16 215.9 0 top
Q806  2N7002  [SOT-23-N]  70.48 184.78 0 top
Q807  2N7002  [SOT-23-N]  74.93 211.45 0 top
Q808  2N7002  [SOT-23-N]  79.38 211.45 0 top
Q809  BSS84  [SOT-23-P]  74.93 215.9 0 top
Q810  BSS84  [SOT-23-P]  88.27 215.9 0 top
Q811  BSS84  [SOT-23-P]  101.6 215.9 0 top
Q812  2N7002  [SOT-23-N]  83.82 211.45 0 top
Q813  2N7002  [SOT-23-N]  88.27 211.45 0 top
Q814  2N7002  [SOT-23-N]  92.71 211.45 0 top
Q815  BSS84  [SOT-23-P]  79.38 215.9 0 top
Q816  BSS84  [SOT-23-P]  92.71 215.9 0 top
Q817  BSS84  [SOT-23-P]  106.05 215.9 0 top
Q818  2N7002  [SOT-23-N]  97.16 211.45 0 top
Q819  2N7002  [SOT-23-N]  101.6 211.45 0 top
Q820  2N7002  [SOT-23-N]  106.05 211.45 0 top
Q821  BSS84  [SOT-23-P]  106.05 207.01 0 top
Q822  2N7002  [SOT-23-N]  106.05 202.56 0 top
Q823  BSS84  [SOT-23-P]  97.16 198.12 0 top
Q824  2N7002  [SOT-23-N]  97.16 193.67 0 top
Q825  2N7002  [SOT-23-N]  101.6 193.67 0 top
Q826  BSS84  [SOT-23-P]  101.6 198.12 0 top
Q827  BSS84  [SOT-23-P]  110.49 224.79 0 top
Q828  BSS84  [SOT-23-P]  114.94 224.79 0 top
Q829  2N7002  [SOT-23-N]  110.49 220.34 0 top
Q830  2N7002  [SOT-23-N]  114.94 220.34 0 top
Q831  2N7002  [SOT-23-N]  119.38 220.34 0 top
Q832  BSS84  [SOT-23-P]  119.38 224.79 0 top
Q833  BSS84  [SOT-23-P]  123.83 224.79 0 top
Q834  2N7002  [SOT-23-N]  123.83 220.34 0 top
Q835  BSS84  [SOT-23-P]  52.7 171.45 0 top
Q836  2N7002  [SOT-23-N]  52.7 167 0 top
Q837  2N7002  [SOT-23-N]  43.81 167 0 top
Q838  BSS84  [SOT-23-P]  43.81 171.45 0 top
Q839  BSS84  [SOT-23-P]  48.26 171.45 0 top
Q840  2N7002  [SOT-23-N]  48.26 167 0 top
Q841  BSS84  [SOT-23-P]  39.37 180.34 0 top
Q842  2N7002  [SOT-23-N]  39.37 175.89 0 top
Q843  2N7002  [SOT-23-N]  30.48 175.89 0 top
Q844  BSS84  [SOT-23-P]  30.48 180.34 0 top
Q845  BSS84  [SOT-23-P]  34.92 180.34 0 top
Q846  2N7002  [SOT-23-N]  34.92 175.89 0 top
Q847  BSS84  [SOT-23-P]  39.37 171.45 0 top
Q848  2N7002  [SOT-23-N]  39.37 167 0 top
Q849  2N7002  [SOT-23-N]  30.48 167 0 top
Q850  BSS84  [SOT-23-P]  30.48 171.45 0 top
Q851  BSS84  [SOT-23-P]  34.92 171.45 0 top
Q852  2N7002  [SOT-23-N]  34.92 167 0 top
Q853  BSS84  [SOT-23-P]  26.04 180.34 0 top
Q854  2N7002  [SOT-23-N]  26.04 175.89 0 top
Q855  2N7002  [SOT-23-N]  17.14 175.89 0 top
Q856  BSS84  [SOT-23-P]  17.14 180.34 0 top
Q857  BSS84  [SOT-23-P]  21.59 180.34 0 top
Q858  2N7002  [SOT-23-N]  21.59 175.89 0 top
Q859  BSS84  [SOT-23-P]  26.04 171.45 0 top
Q860  2N7002  [SOT-23-N]  26.04 167 0 top
Q861  2N7002  [SOT-23-N]  17.14 167 0 top
Q862  BSS84  [SOT-23-P]  17.14 171.45 0 top
Q863  BSS84  [SOT-23-P]  21.59 171.45 0 top
Q864  2N7002  [SOT-23-N]  21.59 167 0 top
Q865  BSS84  [SOT-23-P]  12.7 180.34 0 top
Q866  2N7002  [SOT-23-N]  12.7 175.89 0 top
Q867  2N7002  [SOT-23-N]  3.81 175.89 0 top
Q868  BSS84  [SOT-23-P]  3.81 180.34 0 top
Q869  BSS84  [SOT-23-P]  8.25 180.34 0 top
Q870  2N7002  [SOT-23-N]  8.25 175.89 0 top
Q871  BSS84  [SOT-23-P]  12.7 171.45 0 top
Q872  2N7002  [SOT-23-N]  12.7 167 0 top
Q873  2N7002  [SOT-23-N]  3.81 167 0 top
Q874  BSS84  [SOT-23-P]  3.81 171.45 0 top
Q875  BSS84  [SOT-23-P]  8.25 171.45 0 top
Q876  2N7002  [SOT-23-N]  8.25 167 0 top
Q877  BSS84  [SOT-23-P]  43.81 251.46 0 top
Q878  2N7002  [SOT-23-N]  43.81 247.01 0 top
Q879  BSS84  [SOT-23-P]  34.92 251.46 0 top
Q880  2N7002  [SOT-23-N]  34.92 247.01 0 top
Q881  2N7002  [SOT-23-N]  39.37 247.01 0 top
Q882  BSS84  [SOT-23-P]  39.37 251.46 0 top
Q883  BSS84  [SOT-23-P]  52.7 180.34 0 top
Q884  2N7002  [SOT-23-N]  52.7 175.89 0 top
Q885  2N7002  [SOT-23-N]  43.81 175.89 0 top
Q886  BSS84  [SOT-23-P]  43.81 180.34 0 top
Q887  BSS84  [SOT-23-P]  48.26 180.34 0 top
Q888  2N7002  [SOT-23-N]  48.26 175.89 0 top
Q889  BSS84  [SOT-23-P]  48.26 198.12 0 top
Q890  2N7002  [SOT-23-N]  48.26 193.67 0 top
Q891  2N7002  [SOT-23-N]  52.7 193.67 0 top
Q892  BSS84  [SOT-23-P]  52.7 198.12 0 top
Q893  BSS84  [SOT-23-P]  48.26 189.23 0 top
Q894  2N7002  [SOT-23-N]  48.26 184.78 0 top
Q895  2N7002  [SOT-23-N]  52.7 184.78 0 top
Q896  BSS84  [SOT-23-P]  52.7 189.23 0 top
Q897  BSS84  [SOT-23-P]  39.37 198.12 0 top
Q898  2N7002  [SOT-23-N]  39.37 193.67 0 top
Q899  2N7002  [SOT-23-N]  43.81 193.67 0 top
Q900  BSS84  [SOT-23-P]  43.81 198.12 0 top
Q901  BSS84  [SOT-23-P]  39.37 189.23 0 top
Q902  2N7002  [SOT-23-N]  39.37 184.78 0 top
Q903  2N7002  [SOT-23-N]  43.81 184.78 0 top
Q904  BSS84  [SOT-23-P]  43.81 189.23 0 top
Q905  BSS84  [SOT-23-P]  30.48 198.12 0 top
Q906  2N7002  [SOT-23-N]  30.48 193.67 0 top
Q907  2N7002  [SOT-23-N]  34.92 193.67 0 top
Q908  BSS84  [SOT-23-P]  34.92 198.12 0 top
Q909  BSS84  [SOT-23-P]  30.48 189.23 0 top
Q910  2N7002  [SOT-23-N]  30.48 184.78 0 top
Q911  2N7002  [SOT-23-N]  34.92 184.78 0 top
Q912  BSS84  [SOT-23-P]  34.92 189.23 0 top
Q913  BSS84  [SOT-23-P]  21.59 198.12 0 top
Q914  2N7002  [SOT-23-N]  21.59 193.67 0 top
Q915  2N7002  [SOT-23-N]  26.04 193.67 0 top
Q916  BSS84  [SOT-23-P]  26.04 198.12 0 top
Q917  BSS84  [SOT-23-P]  21.59 189.23 0 top
Q918  2N7002  [SOT-23-N]  21.59 184.78 0 top
Q919  2N7002  [SOT-23-N]  26.04 184.78 0 top
Q920  BSS84  [SOT-23-P]  26.04 189.23 0 top
Q921  BSS84  [SOT-23-P]  61.59 171.45 0 top
Q922  BSS84  [SOT-23-P]  57.15 193.67 0 top
Q923  2N7002  [SOT-23-N]  57.15 167 0 top
Q924  2N7002  [SOT-23-N]  57.15 184.78 0 top
Q925  BSS84  [SOT-23-P]  57.15 171.45 0 top
Q926  BSS84  [SOT-23-P]  61.59 189.23 0 top
Q927  BSS84  [SOT-23-P]  61.59 180.34 0 top
Q928  2N7002  [SOT-23-N]  61.59 167 0 top
Q929  2N7002  [SOT-23-N]  61.59 184.78 0 top
Q930  2N7002  [SOT-23-N]  57.15 175.89 0 top
Q931  BSS84  [SOT-23-P]  57.15 189.23 0 top
Q932  BSS84  [SOT-23-P]  57.15 180.34 0 top
Q933  BSS84  [SOT-23-P]  61.59 193.67 0 top
Q934  2N7002  [SOT-23-N]  57.15 198.12 0 top
Q935  2N7002  [SOT-23-N]  61.59 175.89 0 top
Q936  2N7002  [SOT-23-N]  61.59 198.12 0 top
Q937  BSS84  [SOT-23-P]  66.04 198.12 0 top
Q938  2N7002  [SOT-23-N]  66.06 193.67 0 top
Q939  BSS84  [SOT-23-P]  3.76 162.56 0 top
Q940  2N7002  [SOT-23-N]  3.76 158.11 0 top
Q941  BSS84  [SOT-23-P]  79.39 162.56 0 top
Q942  2N7002  [SOT-23-N]  92.73 162.56 0 top
Q943  BSS84  [SOT-23-P]  12.7 144.78 0 top
Q944  BSS84  [SOT-23-P]  17.14 144.78 0 top
Q945  2N7002  [SOT-23-N]  12.7 140.33 0 top
Q946  2N7002  [SOT-23-N]  17.14 140.33 0 top
Q947  2N7002  [SOT-23-N]  21.59 140.33 0 top
Q948  BSS84  [SOT-23-P]  21.59 144.78 0 top
Q949  BSS84  [SOT-23-P]  30.48 153.67 0 top
Q950  2N7002  [SOT-23-N]  30.48 149.22 0 top
Q951  2N7002  [SOT-23-N]  34.92 149.22 0 top
Q952  BSS84  [SOT-23-P]  34.92 153.67 0 top
Q953  BSS84  [SOT-23-P]  26.04 144.78 0 top
Q954  BSS84  [SOT-23-P]  30.48 144.78 0 top
Q955  2N7002  [SOT-23-N]  26.04 140.33 0 top
Q956  2N7002  [SOT-23-N]  30.48 140.33 0 top
Q957  2N7002  [SOT-23-N]  34.92 140.33 0 top
Q958  BSS84  [SOT-23-P]  34.92 144.78 0 top
Q959  BSS84  [SOT-23-P]  39.37 144.78 0 top
